# KiCad board Z3660_v022.kicad_pcb (continued)
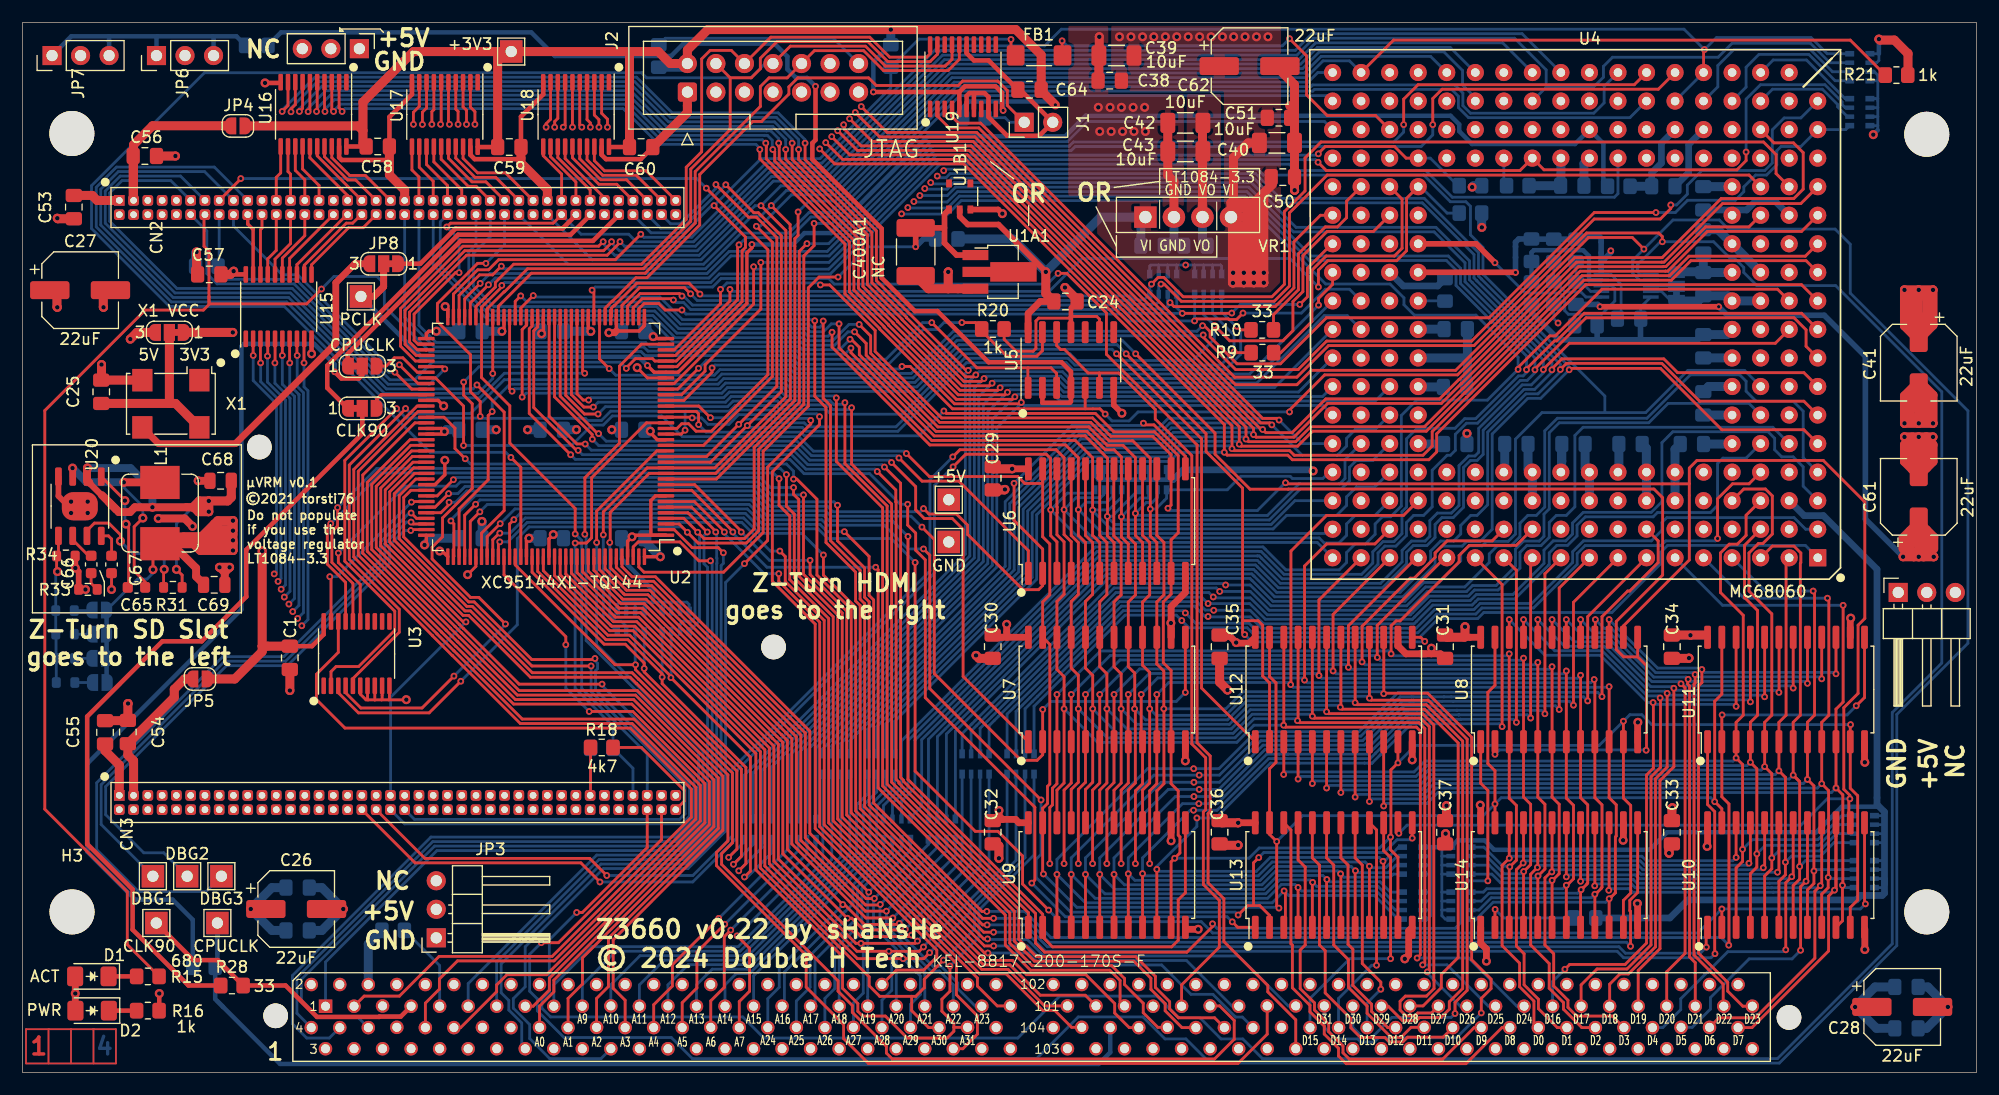
[diagram p0: board, top side]
## Routing (per net, layer and track width the routed paths; a pad name or vN(x,y) marks a point on that pad's centre or on a via; arc(x,y) is an arc through that point) (continued)
060A26: length 199.3
  Top w0.25: U15.4 21.83,63.78 v2(21.81,63.76)
  In2.Cu w0.25: v2(105.99,42.32) 105.56,42.75 23.87,42.75 23.61,43 v2(23.02,43)
  Bottom w0.25: U4.62 155.8,57.42 138.91,57.42 138.18,56.69 138.18,50.34 137.41,49.58 136.52,49.58 135.89,48.95 135.89,47.62 135.17,46.89 133.9,46.89 133.29,46.28 133.29,44.88 131.34,42.94 129.24,42.94 128.7,42.39 125.2,42.39 123.54,40.73 110.8,40.73 109.29,42.23 106.07,42.23 v2(105.99,42.32) 105.6,42.71 97.32,42.71 85.24,30.62 RN4.7 ; v2(21.81,63.76) 21.81,61.44 23.41,59.84 23.41,59.81 23.41,59.81 23.41,43.39 v2(23.02,43)
060A27: length 203.5
  Top w0.25: U15.5 22.48,63.16 v2(22.47,63.15)
  In2.Cu w0.25: v2(23.3,42.31) 23.34,42.27 25.12,42.27 25.19,42.35 104.91,42.35 v2(105.53,41.73)
  Bottom w0.25: U4.37 158.5,52.18 158.5,53.9 157.61,54.78 156.59,54.78 155.96,55.42 155.96,56.43 155.37,57.02 146.89,57.02 145.92,56.05 145.92,50.79 144.98,49.85 138.92,49.85 137.97,48.89 137.97,47.91 137.36,47.31 136.25,47.31 135.43,46.48 135.43,45.3 132.66,42.54 129.4,42.54 128.86,41.99 125.37,41.99 123.7,40.33 110.63,40.33 109.23,41.73 v2(105.53,41.73) 104.96,42.3 97.48,42.3 86.04,30.86 RN4.8 ; v2(23.3,42.31) 23.81,42.82 23.81,59.97 23.81,59.98 23.81,60 22.47,61.34 v2(22.47,63.15)
060A28: length 192.6
  Top w0.25: U15.6 v2(23.13,63.81)
  In2.Cu w0.25: v2(23.71,41.68) 23.9,41.87 25.28,41.87 25.36,41.95 104.48,41.95 105.27,41.15 106.01,41.15 v2(106.03,41.13)
  Bottom w0.25: v2(23.71,41.68) 24.21,42.18 24.21,60.14 24.21,60.14 24.21,60.17 23.13,61.25 v2(23.13,63.81) ; U4.63 153.42,54.67 151.35,54.67 150.88,54.2 150.88,50.47 150.24,49.83 145.53,49.83 145.15,49.45 139.11,49.45 138.37,48.71 138.37,47.75 137.53,46.91 136.57,46.91 135.89,46.23 135.89,45.21 135.83,45.14 135.83,45.14 132.83,42.14 129.57,42.14 129.03,41.59 125.53,41.59 123.87,39.93 110.47,39.93 109.26,41.13 v2(106.03,41.13) 106.01,41.15 105.27,41.15 104.53,41.9 97.64,41.9 87.64,31.89 RN3.5
060A29: length 192.2
  Top w0.25: v2(23.79,63.15) 23.78,63.16 U15.7
  In2.Cu w0.25: v2(105.53,40.58) 105.2,40.58 104.23,41.55 25.52,41.55 25.45,41.47 24.51,41.47 v2(24.05,41.01)
  Bottom w0.25: v2(23.79,63.15) 23.79,61.15 24.61,60.34 24.61,60.31 24.61,60.31 24.61,41.57 v2(24.05,41.01) ; RN3.6 88.44,32.12 97.81,41.5 104.33,41.5 105.25,40.58 v2(105.53,40.58) 105.56,40.54 109.29,40.54 110.3,39.53 124.04,39.53 125.7,41.19 129.19,41.19 129.74,41.74 134.33,41.74 137.98,45.39 137.98,46.34 138.94,47.31 144.98,47.31 145.92,48.25 145.92,48.94 146.36,49.38 157.68,49.38 158.72,48.34 U4.19
060A30: length 187.2
  Top w0.25: v2(24.45,63.81) 24.43,63.83 U15.8 ; U4.57 153.67,52.39 152.21,52.39 150.88,51.05 v2(150.88,47.52)
  In2.Cu w0.25: v2(24.49,40.41) 25.16,41.07 25.61,41.07 25.69,41.15 103.25,41.15 v2(103.51,40.9)
  Bottom w0.25: v2(24.45,63.81) 24.45,61.06 25.01,60.5 25.01,40.92 v2(24.49,40.41) ; RN3.7 89.24,32.36 97.98,41.1 103.3,41.1 v2(103.51,40.9) 104.42,39.98 109.17,39.98 110.02,39.13 124.2,39.13 125.87,40.79 129.36,40.79 129.9,41.34 134.49,41.34 138.38,45.22 138.38,46.18 139.09,46.89 145.85,46.89 146.26,47.31 150.66,47.31 v2(150.88,47.52)
060A31: length 187.5
  Top w0.25: U15.9 25.06,65.27 25.06,63.15 v2(25.06,63.15)
  In2.Cu w0.25: v2(24.86,39.76) 25.86,40.75 102.66,40.75 v2(103.19,40.22)
  Bottom w0.25: U4.1 158.69,46.91 146.43,46.91 145.8,46.27 145.8,45.26 141.47,40.93 130.07,40.93 129.52,40.39 126.03,40.39 124.37,38.73 109.86,38.73 109.01,39.58 103.83,39.58 v2(103.19,40.22) 102.71,40.7 98.14,40.7 90.04,32.59 RN3.8 ; v2(24.86,39.76) 25.41,40.3 25.41,60.67 25.06,61.02 v2(25.06,63.15)
/CPU and CLK/SIZ60_0: length 16.6
  Top w0.25: U4.119 117.86,77.53 117.86,76.06 117.04,75.25 115.96,75.25 113.57,72.85 113.57,69.65 111.35,67.43 R10.1
/CPU and CLK/SIZ60_1: length 23.9
  Top w0.25: 121.69,78.82 122.79,77.72 122.79,73.34 122.11,72.66 116.03,72.66 114.77,71.4 114.77,66.84 111.99,64.05 R9.1
/ZTURN and 3.3V/BP: length 9.9
  Top w0.25: CN3.80 58.9,24.14 58.9,25.11 55.08,28.93 R18.2
_040CIOUT: length 187.7
  Top w0.25: v2(52.22,62.63) 51.36,63.5 U2.45 ; v2(105.04,66.46) 105.19,66.46 105.71,65.93 105.71,65.45 108.1,63.06 111.96,63.06 116.06,67.16 130.54,67.16 139.91,76.53 v2(145.39,76.53) ; v2(39.27,61.44) 39.27,60.27 40.03,59.51 40.03,51.99 37.39,49.35 37.39,47.67 36.46,46.74 36.46,45.7 39.88,42.28 40.62,42.28 v2(42.99,39.91) ; v2(38.4,35.28) 35.57,32.44 30.12,32.44 28.76,33.8 U3.4
  Bottom w0.25: RN2.5 162.29,83.9 U4.127 158.29,82.4 156.53,82.4 156.15,82.02 156.15,80.77 155.24,79.86 154.26,79.86 153.21,78.81 153.21,78.38 152.45,77.62 148.21,77.62 147.12,76.53 v2(145.39,76.53) ; v2(105.04,66.46) 104.54,65.96 82.85,65.96 79.1,62.21 68.72,62.21 68.37,62.55 62.08,62.55 61.58,62.05 52.81,62.05 v2(52.22,62.63) 52.06,62.8 40.63,62.8 v2(39.27,61.44) ; v2(38.4,35.28) 42.99,39.86 v2(42.99,39.91)
_040EMUL: length 143.8
  Top w0.25: v2(149.71,91.02) 149.63,90.95 149.63,88.98 ; v2(55.04,74.59) 52.77,72.33 42.39,72.33 41.49,71.43 40.51,71.43 38.36,69.27 U2.71
  Bottom w0.25: RN1.8 160.64,90.66 159.19,92.1 150.78,92.1 v2(149.71,91.02) 147.89,92.84 92.47,92.84 90.99,91.36 81.59,91.36 71.15,80.92 66.17,80.92 59.57,74.32 55.31,74.32 v2(55.04,74.59) ; U4.150 149.63,88.98
_040IPEND: length 173
  Top w0.25: v2(105.09,65.64) 105.09,65.44 107.98,62.55 113.54,62.55 116.08,65.09 128.98,65.09 130.66,66.76 130.71,66.76 139.9,75.95 145.78,75.95 146.71,76.88 v2(146.71,77.2) ; v2(34.1,59.09) 34.1,59.06 29.09,54.05 29.09,45.66 33.54,41.21 33.54,39.18 29.41,35.05 U3.5
  Bottom w0.25: U4.145 158.29,84.94 156.8,84.94 155.75,83.89 155.75,80.93 155.07,80.26 149.48,80.26 148.18,78.96 148.18,78.16 147.23,77.2 v2(146.71,77.2) ; v2(34.1,59.09) 34.55,58.64 39.87,58.64 42.88,61.65 43.22,61.65 43.22,61.65 61.75,61.65 62.25,62.15 68.21,62.15 68.55,61.81 79.27,61.81 83.02,65.56 105.02,65.56 v2(105.09,65.64)
_040RSTI: length 154.3
  Top w0.25: v2(63.77,73.65) 63.65,73.53 63.65,68.77 58.19,63.31 U2.32 56.29,63.31 56.08,63.52 54.55,63.52 53.75,62.71 v2(53.75,62.66)
  Bottom w0.25: v2(53.75,62.66) 53.19,63.21 36.47,63.21 34.9,61.64 32.71,61.64 24.18,70.18 17.32,70.18 16.41,71.09 16.41,74.89 14.97,76.33 ; v2(63.77,73.65) 64.42,74.3 68.34,74.3 70.17,76.13 72.06,76.13 83.26,87.33 114.84,87.33 114.99,87.48 127.2,87.48 127.81,86.87 127.81,85.87 128.71,84.96 143.07,84.96 U4.151
_040RSTO: length 123.4
  Top w0.25: v2(112.78,58.78) 112.78,58.95 115.91,62.08 127.73,62.08 138.16,72.51 145.94,72.51 151.2,77.77 157.66,77.77 158.5,78.6 158.5,81.86 157.63,82.72 155.89,82.72 U4.129 ; v2(78.28,62.83) 79.01,62.83 82.78,59.06 88.66,59.06 88.67,59.06 89.14,59.06 89.15,59.06 95.9,59.06 v2(96.37,58.59) ; U2.25 58.87,59.81 61.38,62.32 v2(61.38,62.7) ; U5.5 94.59,59.06
  Bottom w0.25: v2(96.37,58.59) 96.98,57.98 98.5,57.98 99.29,58.78 v2(112.78,58.78) ; v2(61.38,62.7) 61.63,62.95 68.54,62.95 68.88,62.61 78.06,62.61 v2(78.28,62.83)
_060IPL0: length 117.1
  Top w0.25: U2.70 38.86,69.15 40.68,70.98 41.85,70.98 v2(42.62,71.75)
  Bottom w0.25: U4.169 140.78,87.75 140.78,86.29 139.86,85.36 128.88,85.36 128.21,86.04 128.21,87.16 127.49,87.88 114.83,87.88 114.68,87.73 83.1,87.73 71.9,76.53 70.01,76.53 68.17,74.7 63.96,74.7 60.79,71.52 42.85,71.52 v2(42.62,71.75)
_060IPL1: length 116.9
  Top w0.25: v2(40.74,70.22) 39.36,68.84 U2.69 ; U4.168 143.47,87.9 124.22,87.9 122.94,86.62 v2(122.94,84.35)
  Bottom w0.25: v2(40.74,70.22) 41.61,71.1 60.93,71.1 62.9,73.06 71.63,73.06 80.99,82.43 93.17,82.43 93.54,82.8 122.05,82.8 122.94,83.68 v2(122.94,84.35)
_060IPL2: length 118.9
  Top w0.25: v2(125.53,84.35) 125.53,86.67 126.36,87.5 145.61,87.5 U4.167 ; v2(41.48,70.1) 39.86,68.48 U2.68
  Bottom w0.25: v2(125.53,84.35) 125.53,83.43 124.49,82.4 93.71,82.4 93.34,82.03 81.16,82.03 71.79,72.66 63.06,72.66 61.1,70.7 42.08,70.7 v2(41.48,70.1)
_AS: length 103.4
  Top w0.25: v2(85.9,11.89) 85.56,11.89 74.16,23.29 74.16,41.39 71.29,44.26 v2(71.29,46.05) ; U2.117 41.86,47.41 42.44,47.99 v2(42.49,47.99)
  Bottom w0.25: v2(85.9,11.89) 85.95,11.84 89.44,11.84 90.91,10.37 108.23,10.37 112.67,5.93 CN1.133 ; v2(71.29,46.05) 69.37,47.98 65.56,47.98 64.18,49.35 44.76,49.35 43.4,47.99 v2(42.49,47.99)
_AVEC: length 90.4
  Top w0.25: v2(51.1,47.16) 51.1,49.96 56.46,55.31 U2.16
  Bottom w0.25: CN1.12 29.9,4.87 26.3,4.87 24.83,6.35 24.83,8.29 36.69,20.15 58.41,20.15 60.58,22.32 60.58,28.6 51.1,38.07 v2(51.1,47.16)
_AVEC040: length 117.4
  Top w0.25: v2(52.43,73.93) 52.43,73.84 51.72,73.13 39.36,73.13 34.05,67.82 34.05,64.8 35.04,63.81 U2.76
  Bottom w0.25: v2(52.43,73.93) 52.43,73.83 53.14,73.12 60.06,73.12 66.66,79.72 71.65,79.72 82.06,90.13 113.6,90.13 115.09,91.62 131.75,91.62 U4.172
_BB040: length 135.5
  Top w0.25: R21.1 162.69,91.87 122.03,91.87 U4.178 ; U2.17 60.62,55.81 66.74,61.93 66.74,73.88 v2(65.32,75.3)
  Bottom w0.25: v2(65.32,75.3) 65.64,75.3 68.44,78.1 72.3,78.1 82.73,88.53 114.26,88.53 115.76,90.02 118.11,90.02 U4.178
_BERR: length 56.7
  Top w0.25: v2(50.44,32.13) 54.33,32.13 60.74,25.71 60.74,22.23 60.15,21.64 46.9,8.39 46.9,7.34 45.45,5.9 CN1.29 ; U2.119 42.86,44.29 48.36,38.78 v2(48.36,38.07)
  Bottom w0.25: v2(48.36,38.07) 48.36,34.21 v2(50.44,32.13)
_BG: length 94.7
  Top w0.25: CN1.105 94.6,6.88 90.59,6.88 87.89,9.58 85.54,9.58 72.56,22.56 72.56,40.73 69.09,44.19 69.09,50.99 68.63,51.45 v2(68.63,52.06) ; U2.101 36.91,51.31 v2(38.35,52.75)
  Bottom w0.25: v2(68.63,52.06) 66.58,52.06 65.69,52.95 38.55,52.95 v2(38.35,52.75)
_BG040: length 113.5
  Top w0.25: v2(51.69,73.93) 51.28,73.53 39.2,73.53 33.65,67.98 33.65,64.63 34.98,63.31 U2.77
  Bottom w0.25: v2(51.69,73.93) 51.69,73.75 52.71,72.72 60.23,72.72 66.83,79.32 71.81,79.32 82.23,89.73 113.77,89.73 115.26,91.22 127.07,91.22 U4.174
_BGACK: length 101.4
  Top w0.25: U2.94 34.69,54.81 31.89,52.01 31.89,46.87 38.9,39.86 38.9,39.86 39.23,39.52 39.24,39.52 44.2,34.56 v2(51.59,34.56)
  Bottom w0.25: v2(51.59,34.56) 51.59,34.43 59.78,26.24 59.78,22.65 58.08,20.95 36.35,20.95 24.03,8.62 24.03,4.34 25.3,3.07 27.32,3.07 CN1.8
_BGACK040: length 15.4
  Top w0.25: U2.102 34.68,50.81 v2(34.62,50.76) ; U3.19 27.46,44.02 v2(27.36,44.12)
  Bottom w0.25: v2(34.62,50.76) 27.99,44.12 v2(27.36,44.12)
_BGR040: length 124.3
  Top w0.25: v2(115.31,81) 116.05,80.26 133.29,80.26 U4.208 135.43,80.33 152.6,80.33 153.42,81.14 v2(153.42,81.91) ; U2.28 58.01,61.31 65.07,68.38 65.07,71.7 v2(65.08,71.7)
  Bottom w0.25: v2(153.42,81.91) 153.42,86.62 154.7,87.9 160.43,87.9 161.96,86.36 161.96,86.13 162.24,85.86 RN2.7 ; v2(65.08,71.7) 65.29,71.49 71.76,71.49 81.5,81.23 115.08,81.23 v2(115.31,81)
_BOSS: length 8.1
  Bottom w0.25: CN1.17 37.13,9.52 R13.1
_BR: length 60.2
  Top w0.25: v2(61.71,48.09) 61.71,48.16 59.55,50.31 U2.6
  Bottom w0.25: CN1.25 42.21,5.91 42.21,9.83 51.33,18.95 58.91,18.95 61.79,21.83 61.79,45.27 61.81,45.3 61.81,45.78 61.79,45.8 61.79,48.01 v2(61.71,48.09)
_BR040: length 84
  Top w0.25: U2.11 61.76,52.81 68.74,59.79 68.74,73.54 68.74,74.21 69.04,74.5 v2(69.04,76.58)
  Bottom w0.25: U4.179 115.3,88.98 114.45,88.13 82.93,88.13 72.34,77.54 70,77.54 v2(69.04,76.58)
_BTT: length 84
  Top w0.25: v2(65.72,72.09) 65.72,67.93 60.76,62.97 60.76,62.41 58.66,60.31 U2.26 ; U4.212 123.16,81.36 122.12,82.4 115.96,82.4 115.34,81.78 v2(115.34,81.75)
  Bottom w0.25: U4.212 125.31,81.36 127.76,78.91 R5.2 ; v2(115.34,81.75) 115.22,81.63 81.33,81.63 71.78,72.09 v2(65.72,72.09)
_CEAB: length 210
  Top w0.25: v2(162.71,30.96) 162.69,30.93 U11.11 162.69,25.29 163.35,24.63 163.35,15.35 162.69,14.69 U10.11 ; U13.11 122.43,19.16 121.77,19.83 v2(121.77,20.95) 121.8,20.99 121.8,26.93 v2(122.43,27.55) U12.11 ; v2(142.49,31.26) U8.11 142.49,24.42 143.14,23.77 143.14,15.97 142.49,15.32 U14.11 ; v2(82.01,58.87) 82.23,58.65 95.5,58.65 97.14,57.01 100.76,57.01 102.87,54.9 102.87,48.03 102.23,47.39 102.23,42.58 101.54,41.88 101.54,36.47 102.23,35.77 U7.11 102.23,25.7 102.87,25.06 102.87,21.12 103.02,20.97 103.02,19.54 v2(102.55,19.07) 102.23,18.75 U9.11 ; U2.23 57.29,58.83 59.98,58.83 60.18,58.62 v2(60.18,57.65)
  Bottom w0.25: v2(60.18,57.65) 60.85,56.98 69.27,56.98 69.6,56.66 79.8,56.66 v2(82.01,58.87) ; v2(121.77,20.95) 120.79,19.98 110.08,19.98 109.17,19.07 v2(102.55,19.07) ; v2(162.71,30.96) 145.01,30.96 144.13,31.84 143.07,31.84 v2(142.49,31.26) 140.34,29.11 123.98,29.11 v2(122.43,27.55)
_CEBA: length 223.3
  Top w0.25: U2.80 36.75,61.81 39.26,59.3 v2(39.26,55.8) ; 151.26,38.73 151.26,33.68 150.62,33.04 v2(150.62,24.1) 151.26,23.46 U10.23 ; U14.23 v2(131.06,23.9) 131.06,26.85 130.43,27.48 130.43,33.83 131.06,34.46 131.06,38.73 ; v2(111.83,14.63) 111.64,14.83 v2(111.64,20.55) 111,21.19 U13.23 111,27.03 111.57,27.6 111.57,34.66 111,35.24 111,38.73 ; v2(90.87,17.67) 90.8,17.74 U9.23 90.8,23.51 91.24,23.94 91.24,25.46 91.44,25.67 91.44,38.1 90.8,38.73 90.8,41.87 91.44,42.51 91.44,47.04 90.8,47.67 U6.23 90.8,52.47 90.75,52.42 89.21,52.42 88.59,53.04 80.72,53.04 v2(78.67,55.08)
  Bottom w0.25: v2(111.83,14.63) 111.76,14.7 93.84,14.7 v2(90.87,17.67) ; v2(150.62,24.1) 150.27,24.46 131.62,24.46 v2(131.06,23.9) 130.02,22.86 113.94,22.86 v2(111.64,20.55) ; v2(78.67,55.08) 78.46,55.29 70.4,55.29 69.11,56.58 58.74,56.58 56.89,58.43 52.5,58.43 51.69,57.61 50.68,57.61 48.87,55.8 v2(39.26,55.8)
_CIIN: length 83.7
  Top w0.25: U2.10 59.83,52.31 63.98,48.16 v2(63.98,48.09) ; v2(70.1,45.58) 70.1,44.32 73.36,41.06 73.36,22.91 85.64,10.64 v2(85.93,10.64)
  Bottom w0.25: v2(85.93,10.64) 89.51,10.64 90.58,9.57 101.4,9.57 104.01,6.96 105.96,6.96 107.98,4.94 108.58,4.94 CN1.132 ; v2(63.98,48.09) 66.49,45.58 v2(70.1,45.58)
_CIOUT: length 112.9
  Top w0.25: v2(28.05,50.27) 28.05,48.64 27.54,48.13 27.54,45.4 29.41,43.52 U3.16 ; CN1.101 90.98,5.93 87.72,9.18 85.38,9.18 72.16,22.4 72.16,40.56 68.69,44.03 68.69,49.69 68,50.39 v2(68,53.21)
  Bottom w0.25: v2(28.05,50.27) 31.53,53.75 67.45,53.75 v2(68,53.21)
_CLA: length 2.4
  Bottom w0.25: U4.194 126.6,68.66 R6.2
_CLKEN: length 160.6
  Top w0.25: v2(49.2,47.92) 49.2,50.19 43.38,56.01 43.38,59.33 40.86,61.84 U2.66 40.86,68.1 42.66,69.9 v2(42.66,70.04)
  Bottom w0.25: v2(49.2,47.92) 49.77,47.35 49.77,34.18 55.61,28.34 CN3.75 ; U4.205 142.01,78.2 141.7,77.89 127.26,77.89 124.89,80.26 113.33,80.26 112.76,80.83 81.67,80.83 71.9,71.06 62.02,71.06 61.26,70.3 42.92,70.3 v2(42.66,70.04)
_CPURST: length 74
  Top w0.25: v2(63.23,48.1) 63.23,48.15 59.57,51.81 U2.9 ; CN1.109 97.7,6.32 97.7,8.19 96.78,9.11 89.72,9.11 87.48,11.35 87.48,14.02 76.16,25.34 76.16,44.75 v2(75.95,44.96)
  Bottom w0.25: v2(75.95,44.96) 66.26,44.96 63.23,48 v2(63.23,48.1)
_DMACOE: length 150.2
  Top w0.25: v2(86.44,13.72) 85.45,13.72 75.36,23.81 75.36,41.89 74.95,42.29 74.95,44.9 72.54,47.31 v2(72.54,50.48) ; v2(143.13,11.23) 143.13,14.34 143.06,14.41 143.06,15.32 143.76,16.02 U14.13 ; v2(37.93,51.51) 36.73,50.31 U2.103
  Bottom w0.25: v2(86.44,13.72) 89.25,13.72 91.39,11.59 142.77,11.59 v2(143.13,11.23) ; v2(37.93,51.51) 38.75,51.51 39.39,52.15 65.34,52.15 66.71,50.78 72.24,50.78 v2(72.54,50.48)
_DS: length 77.7
  Top w0.25: v2(67.41,46.4) 67.89,45.92 67.89,43.7 71.36,40.23 71.36,22.05 83.53,9.88 85,8.41 85,7.69 86.76,5.93 CN1.97 ; v2(42.48,47.22) 42.36,47.1 U2.118
  Bottom w0.25: v2(42.48,47.22) 43.19,47.22 44.92,48.95 64.02,48.95 66.57,46.4 v2(67.41,46.4)
_DSACK0: length 63.8
  Top w0.25: U2.7 59.8,50.81 62.47,48.14 v2(62.47,48.09) ; CN1.91 83.7,2.12 85,3.41 85,5.05 83.13,6.92 83.13,9.71 70.96,21.88 70.96,40.06 67.32,43.71 v2(67.32,44.39)
  Bottom w0.25: v2(67.32,44.39) 66.02,44.39 62.47,47.94 v2(62.47,48.09)
_DSACK1: length 73.6
  Top w0.25: v2(60.96,48.09) 60.94,48.09 59.23,49.81 U2.5
  Bottom w0.25: CN1.1 26.98,9.84 36.89,19.75 58.58,19.75 60.98,22.15 60.98,44.96 60.66,45.27 60.66,47.8 v2(60.96,48.09)
_EMUL: length 63.6
  Top w0.25: U2.2 58.01,48.31 59.61,46.71 61.93,46.71 v2(62.38,46.25)
  Bottom w0.25: v2(62.38,46.25) 62.38,45.3 62.19,45.11 62.19,21.66 59.07,18.55 51.49,18.55 42.61,9.67 42.61,7.1 43.29,6.42 43.29,5.56 44.44,4.41 44.44,2.43 CN1.31
_HLT: length 97.3
  Top w0.25: U2.35 55.09,64.81 53.14,62.86 53.14,56 50.06,52.92 50.06,47.9 v2(50.05,47.9)
  Bottom w0.25: v2(50.05,47.9) 50.17,47.78 50.17,38.44 60.18,28.43 60.18,22.48 58.25,20.55 36.52,20.55 24.43,8.46 24.43,5.27 CN1.4
_INT2: length 76.4
  Top w0.25: v2(61.24,58.27) 60.19,59.31 U2.24 ; CN1.82 77.78,9.11 80.21,9.11 81.38,10.28 81.38,10.89 70.56,21.71 70.56,39.9 66.74,43.72 66.74,53.45 70.94,57.65 v2(70.94,58.36)
  Bottom w0.25: v2(61.24,58.27) 62.9,58.27 63.59,58.95 66.88,58.95 67.22,58.61 70.7,58.61 v2(70.94,58.36)
_INT6: length 93
  Top w0.25: v2(64.26,45.28) 66.33,47.35 66.33,53.87 70.16,57.71 v2(70.16,58.03) ; U2.22 59.55,58.31 v2(59.61,58.25)
  Bottom w0.25: v2(64.26,45.28) 62.59,43.61 62.59,21.5 59.24,18.15 51.71,18.15 44.75,11.19 44.75,7.63 43.69,6.57 43.69,5.73 45.15,4.27 45.15,3.02 46.93,1.24 51.5,1.24 CN1.43 ; v2(70.16,58.03) 69.99,58.21 67.06,58.21 66.73,58.54 63.74,58.54 62.88,57.68 61.01,57.68 60.44,58.25 v2(59.61,58.25)
_IPEND: length 116.2
  Top w0.25: v2(69.52,51.4) 69.52,44.34 72.96,40.89 72.96,22.73 85.71,9.98 88.11,9.98 89.38,8.71 94.65,8.71 97.22,6.14 97.22,5.29 98.51,4 CN1.116 ; v2(28.11,46.23) 28.11,45.39 30.06,43.44 U3.15
  Bottom w0.25: v2(28.11,46.23) 34.06,52.18 38.59,52.18 38.97,52.55 65.51,52.55 66.66,51.4 v2(69.52,51.4)
_IPL0: length 103.5
  Top w0.25: v2(72.44,60.03) 72.44,54.38 76.56,50.25 76.56,25.5 87.88,14.19 87.88,11.51 89.88,9.51 96.95,9.51 98.1,8.36 98.1,7.83 99.76,6.17 99.76,5.32 101.05,4.02 CN1.120 ; v2(50.39,59.84) 49.91,59.84 49.36,60.39 U2.49
  Bottom w0.25: v2(50.39,59.84) 50.6,60.05 62.41,60.05 62.91,60.55 67.55,60.55 67.89,60.21 72.26,60.21 v2(72.44,60.03)
_IPL1: length 106.9
  Top w0.25: v2(73.2,59.61) 73.2,54.18 76.96,50.42 76.96,25.67 88.28,14.35 88.28,11.7 90.07,9.91 98.92,9.91 100.44,8.39 100.44,7.41 101.71,6.14 101.71,5.49 103.21,4 CN1.124 ; U2.50 48.86,60.32 49.97,59.21 v2(50.81,59.21)
  Bottom w0.25: v2(50.81,59.21) 51.24,59.65 62.58,59.65 63.08,60.15 67.38,60.15 67.72,59.81 71.86,59.81 71.86,59.79 72.2,59.46 73.05,59.46 v2(73.2,59.61)
_IPL2: length 109.9
  Top w0.25: v2(73.8,59.15) 73.8,54.15 77.36,50.58 77.36,25.83 88.68,14.52 88.68,11.86 90.24,10.31 99.09,10.31 100.84,8.56 100.84,7.57 102.11,6.3 102.11,5.66 102.9,4.87 106.11,4.87 CN1.128 ; U2.51 48.36,60.26 50.02,58.59 v2(51.23,58.59)
  Bottom w0.25: v2(73.8,59.15) 73.63,58.98 72.13,58.98 72.05,59.06 72.03,59.06 71.68,59.41 67.56,59.41 67.21,59.75 63.26,59.75 62.75,59.25 51.89,59.25 v2(51.23,58.59)
_LOCK: length 143.9
  Top w0.25: U2.3 58.44,48.81 v2(59.18,48.07) 60.14,47.11 64.43,47.11 65.53,48.21 65.53,55.44 69.54,59.46 69.54,72.66 70.46,73.58 v2(70.46,75.56) ; U3.3 28.11,33.8 29.9,32 36.2,32 v2(39.01,34.82)
  Bottom w0.25: RN21.6 58.54,39.91 58.79,40.16 59.54,40.16 59.86,40.48 59.86,47.39 v2(59.18,48.07) 58.7,48.55 45.09,48.55 44.04,47.5 44.04,39.85 v2(39.01,34.82) ; U4.162 116.13,86.93 83.43,86.93 72.05,75.56 v2(70.46,75.56)
_LOCKE: length 97.1
  Top w0.25: v2(69.82,73.76) 69.14,73.08 69.14,59.63 65.13,55.61 65.13,48.37 64.27,47.52 60.66,47.52 v2(60.1,48.08) 58.86,49.31 U2.4
  Bottom w0.25: v2(69.82,73.76) 71.76,73.76 80.83,82.83 93.01,82.83 94.8,84.63 115.89,84.63 U4.144 ; v2(60.1,48.08) 60.26,47.91 60.26,40.18 RN21.5
_RAMSLOT: length 0
  Top w0.25: 33.4,4 33.4,4 33.4,4
_RESET: length 70.7
  Top w0.25: 95.84,62.25 95.86,62.23 U5.6 ; U5.12 92.05,64.69 92.41,64.33 92.76,64.33 94.84,62.25 97.57,62.25 100.83,59 100.83,58.15 104.08,54.89 104.08,29.24 105.31,28.01 105.31,23.4 105.11,23.19 105.11,16.73 106.53,15.31 106.53,11.15 103.17,7.8 CN1.117
_RMC: length 114
  Top w0.25: v2(67.34,52.84) 67.34,50.48 68.29,49.52 68.29,43.86 71.76,40.4 71.76,22.21 83.93,10.04 85.2,8.78 87.56,8.78 90.81,5.53 91.88,5.53 93.38,4.02 CN1.108 ; v2(27.44,48.84) 27.13,48.54 27.13,45.24 28.76,43.61 U3.17
  Bottom w0.25: v2(27.44,48.84) 31.94,53.35 66.83,53.35 v2(67.34,52.84)
_SNOOP: length 84.3
  Top w0.25: U4.200 123.19,77.79 123.19,73.13 122.31,72.24 116.18,72.24 115.35,71.41 v2(115.35,69.9) ; U2.33 58.12,63.81 62.97,68.66 v2(62.97,69.68)
  Bottom w0.25: v2(62.97,69.68) 63.15,69.51 91.38,69.51 94.3,72.43 112.82,72.43 v2(115.35,69.9) ; R7.2 126.8,76.47 124.45,78.82 U4.200
_STERM: length 61.8
  Top w0.25: U2.142 54.36,46.77 54.8,47.21 58.52,47.21 60.2,45.54 v2(61.24,45.54)
  Bottom w0.25: CN1.21 39.67,7.91 51.11,19.35 58.74,19.35 61.38,21.99 61.38,22 61.39,22.01 61.39,45.39 v2(61.24,45.54)
_TA: length 142.3
  Top w0.25: v2(52.27,47.16) 52.31,47.2 52.31,49.84 55.78,53.31 U2.12 61.7,53.31 68.34,59.96 68.34,75.09 68.33,75.11 68.33,75.46 v2(66.64,77.14)
  Bottom w0.25: U4.175 125.33,90.42 115.59,90.42 114.1,88.93 82.56,88.93 72.13,78.5 68,78.5 v2(66.64,77.14) 65.71,76.2 64.91,76.2 60.62,71.92 48.59,71.92 44.18,76.33 ; RN22.7 53.74,39.7 53.29,40.16 52.77,40.16 52.27,40.66 v2(52.27,47.16)
_TBI: length 150.5
  Top w0.25: 35.94,64.3 U2.75 ; 35.94,64.3 U2.75 ; 35.94,64.3 U2.75 ; U2.75 35.15,64.31 34.45,65.01 34.45,67.65 39.53,72.73 52.05,72.73 53.18,73.87 v2(53.18,73.93)
  Bottom w0.25: v2(53.18,73.93) 53.59,73.52 59.9,73.52 66.5,80.12 71.48,80.12 81.89,90.53 113.44,90.53 114.93,92.02 114.93,92.02 114.95,92.04 132.8,92.04 135.62,89.22 135.62,87.68 ; 135.62,87.68 139.83,87.68 140.72,88.56 140.72,89.53 141.53,90.34 150.93,90.34 152.17,91.59 159.14,91.59 160.87,89.86 RN1.7 ; 135.62,87.68 U4.155
_TCI: length 123.3
  Top w0.25: v2(37.76,75.24) 38.1,75.58 47.24,75.58 47.99,76.33 ; U2.74 35.21,64.81 34.85,65.17 34.85,67.49 38.54,71.18 v2(38.86,71.18)
  Bottom w0.25: U4.171 133.48,92.44 114.78,92.44 114.76,92.42 114.76,92.42 113.3,90.96 81.75,90.96 71.32,80.52 66.33,80.52 59.73,73.92 54.63,73.92 53.96,74.59 49.72,74.59 47.99,76.33 ; v2(38.86,71.18) 38.86,74.14 v2(37.76,75.24)
_TEA: length 144.2
  Top w0.25: v2(65.74,77.14) 67.94,74.93 67.94,60.13 61.63,53.81 U2.13 55.61,53.81 51.7,49.9 v2(51.7,47.85)
  Bottom w0.25: RN22.8 51.7,40.49 51.7,47.85 v2(51.7,47.85) ; 46.72,76.33 50.73,72.32 60.4,72.32 65.21,77.14 v2(65.74,77.14) 67.5,78.9 71.97,78.9 82.4,89.33 113.93,89.33 115.42,90.82 126.52,90.82 128.18,89.16 128.18,87.88 129.31,86.75 U4.157
_TRA: length 2.6
  Bottom w0.25: R8.2 131.85,79.16 131.85,81.36
_TS: length 63.1
  Top w0.25: U2.31 58.26,62.81 64.05,68.61 64.05,73.11 64.35,73.41 64.35,74.35 v2(61.56,77.14) ; FB1.1 87.99,90.92 v2(87.99,91.93)
  Bottom w0.25: v2(87.99,91.93) 87.96,91.96 79.79,91.96 R11.1 77.29,87.62 70.99,81.32 65.74,81.32 v2(61.56,77.14) 61.34,77.14 58.92,74.72 55.95,74.72 54.34,76.33
A0: length 81.9
  Top w0.25: U2.88 34.93,57.81 30.29,53.17 30.29,46.21 37.3,39.2 37.3,39.2 38.57,37.92 38.58,37.92 43.71,32.79 54.23,32.79 61.14,25.88 61.14,22.06 47.3,8.22 47.3,7.18 46.02,5.9 CN1.36
A1: length 79.7
  Top w0.25: CN1.40 48.56,6.59 49.84,7.87 49.84,10.2 61.54,21.9 61.54,26.05 54.4,33.19 43.88,33.19 38.74,38.32 38.74,38.32 37.7,39.36 37.7,39.37 30.69,46.38 30.69,52.5 34.5,56.31 U2.91
A2: length 78
  Top w0.25: U2.92 34.56,55.81 31.09,52.34 31.09,46.54 38.1,39.53 38.1,39.53 38.9,38.72 38.91,38.72 44.04,33.59 54.56,33.59 61.94,26.21 61.94,21.73 52.16,11.95 52.16,7.65 51.1,6.59 CN1.44
A3: length 77.4
  Top w0.25: CN1.48 53.64,6.43 52.58,7.5 52.58,11.81 62.34,21.57 62.34,26.38 54.73,33.99 44.21,33.99 39.07,39.12 39.07,39.12 38.5,39.69 38.5,39.7 31.49,46.71 31.49,52.17 34.63,55.31 U2.93
BCLK_FPGA: length 37.8
  Top w0.25: U2.95 34.76,54.31 32.29,51.84 32.29,47.04 39.23,40.1 v2(39.47,40.1)
  Bottom w0.25: v2(39.47,40.1) 39.47,40.1 32.77,33.4 32.77,24.68 CN3.39
CLK90: length 27.1
  Top w0.4: TP10.1 15.21,10 17.38,10 R28.2 23.42,7.74 26.21,4.95 31.75,4.95 31.78,4.98 33.67,4.98 CN1.13
  Bottom w0.25: 34.87,6.1 34.67,5.9 34.87,6.1
CLK90_CPLD: length 5.4
  Top w0.3: U2.83 31.94,60.31 31.55,59.91 JP9.3
CLK90_FPGA: length 33.5
  Top w0.4: JP9.1 27.13,60.92 27.13,62.91 38.77,74.55 48.79,74.55 50.53,76.29 50.53,76.33
CPUCLK: length 92.2
  Bottom w0.4: 17.86,5.84 17.35,6.34 ; 17.86,5.84 17.15,6.54 R29.2 17.35,9.56 TP11.1 ; 17.86,5.84 22.93,0.77 95.79,0.77 96.82,1.79 CN1.112
CPUCLK_CPLD: length 5.2
  Top w0.25: JP10.3 32.36,62.86 33.1,63.6 33.86,63.6 35.14,62.31 U2.79
CPUCLK_FPGA: length 30.4
  Top w0.4: JP10.1 28.95,63.95 39,74 50.78,74 53.07,76.29 53.07,76.33
CPUCLK_RECVD: length 123.3
  Top w0.25: v2(92.18,71.12) 92.95,71.12 96.48,67.59 96.48,63.91 104.55,55.84 104.55,29.34 105.71,28.17 105.71,23.23 105.52,23.04 105.52,16.88 106.93,15.47 106.93,11.66 110.85,7.74 110.85,7.17 113.33,4.69 CN1.135 ; v2(50.7,69.62) 50.86,69.46 U2.46
  Bottom w0.25: v2(92.18,71.12) 91.22,70.16 72.26,70.16 71.75,70.66 62.19,70.66 61.43,69.9 50.98,69.9 v2(50.7,69.62)
D0: length 43.5
  Top w0.25: U10.22 v2(152.53,19.14) ; CN1.172 134.53,4.39 134.53,6.36 133.26,7.63 133.26,9.73 131.7,11.29 131.7,18.43 v2(132.34,19.07) 132.33,19.07 U14.22
  Bottom w0.25: v2(132.34,19.07) 132.51,19.24 144.14,19.24 144.54,18.85 152.23,18.85 v2(152.53,19.14)
D1: length 44.9
  Top w0.25: v2(153.67,18.62) 153.8,18.75 U10.21 ; U14.21 133.6,18.68 v2(133.57,18.65) 132.97,18.04 132.97,11.25 133.66,10.56 133.66,7.8 134.93,6.52 134.93,5.68 136.61,4 CN1.176
  Bottom w0.25: v2(133.57,18.65) 133.77,18.84 143.98,18.84 144.38,18.45 153.5,18.45 v2(153.67,18.62)
